# KiCad board alu_c.kicad_pcb (continued)
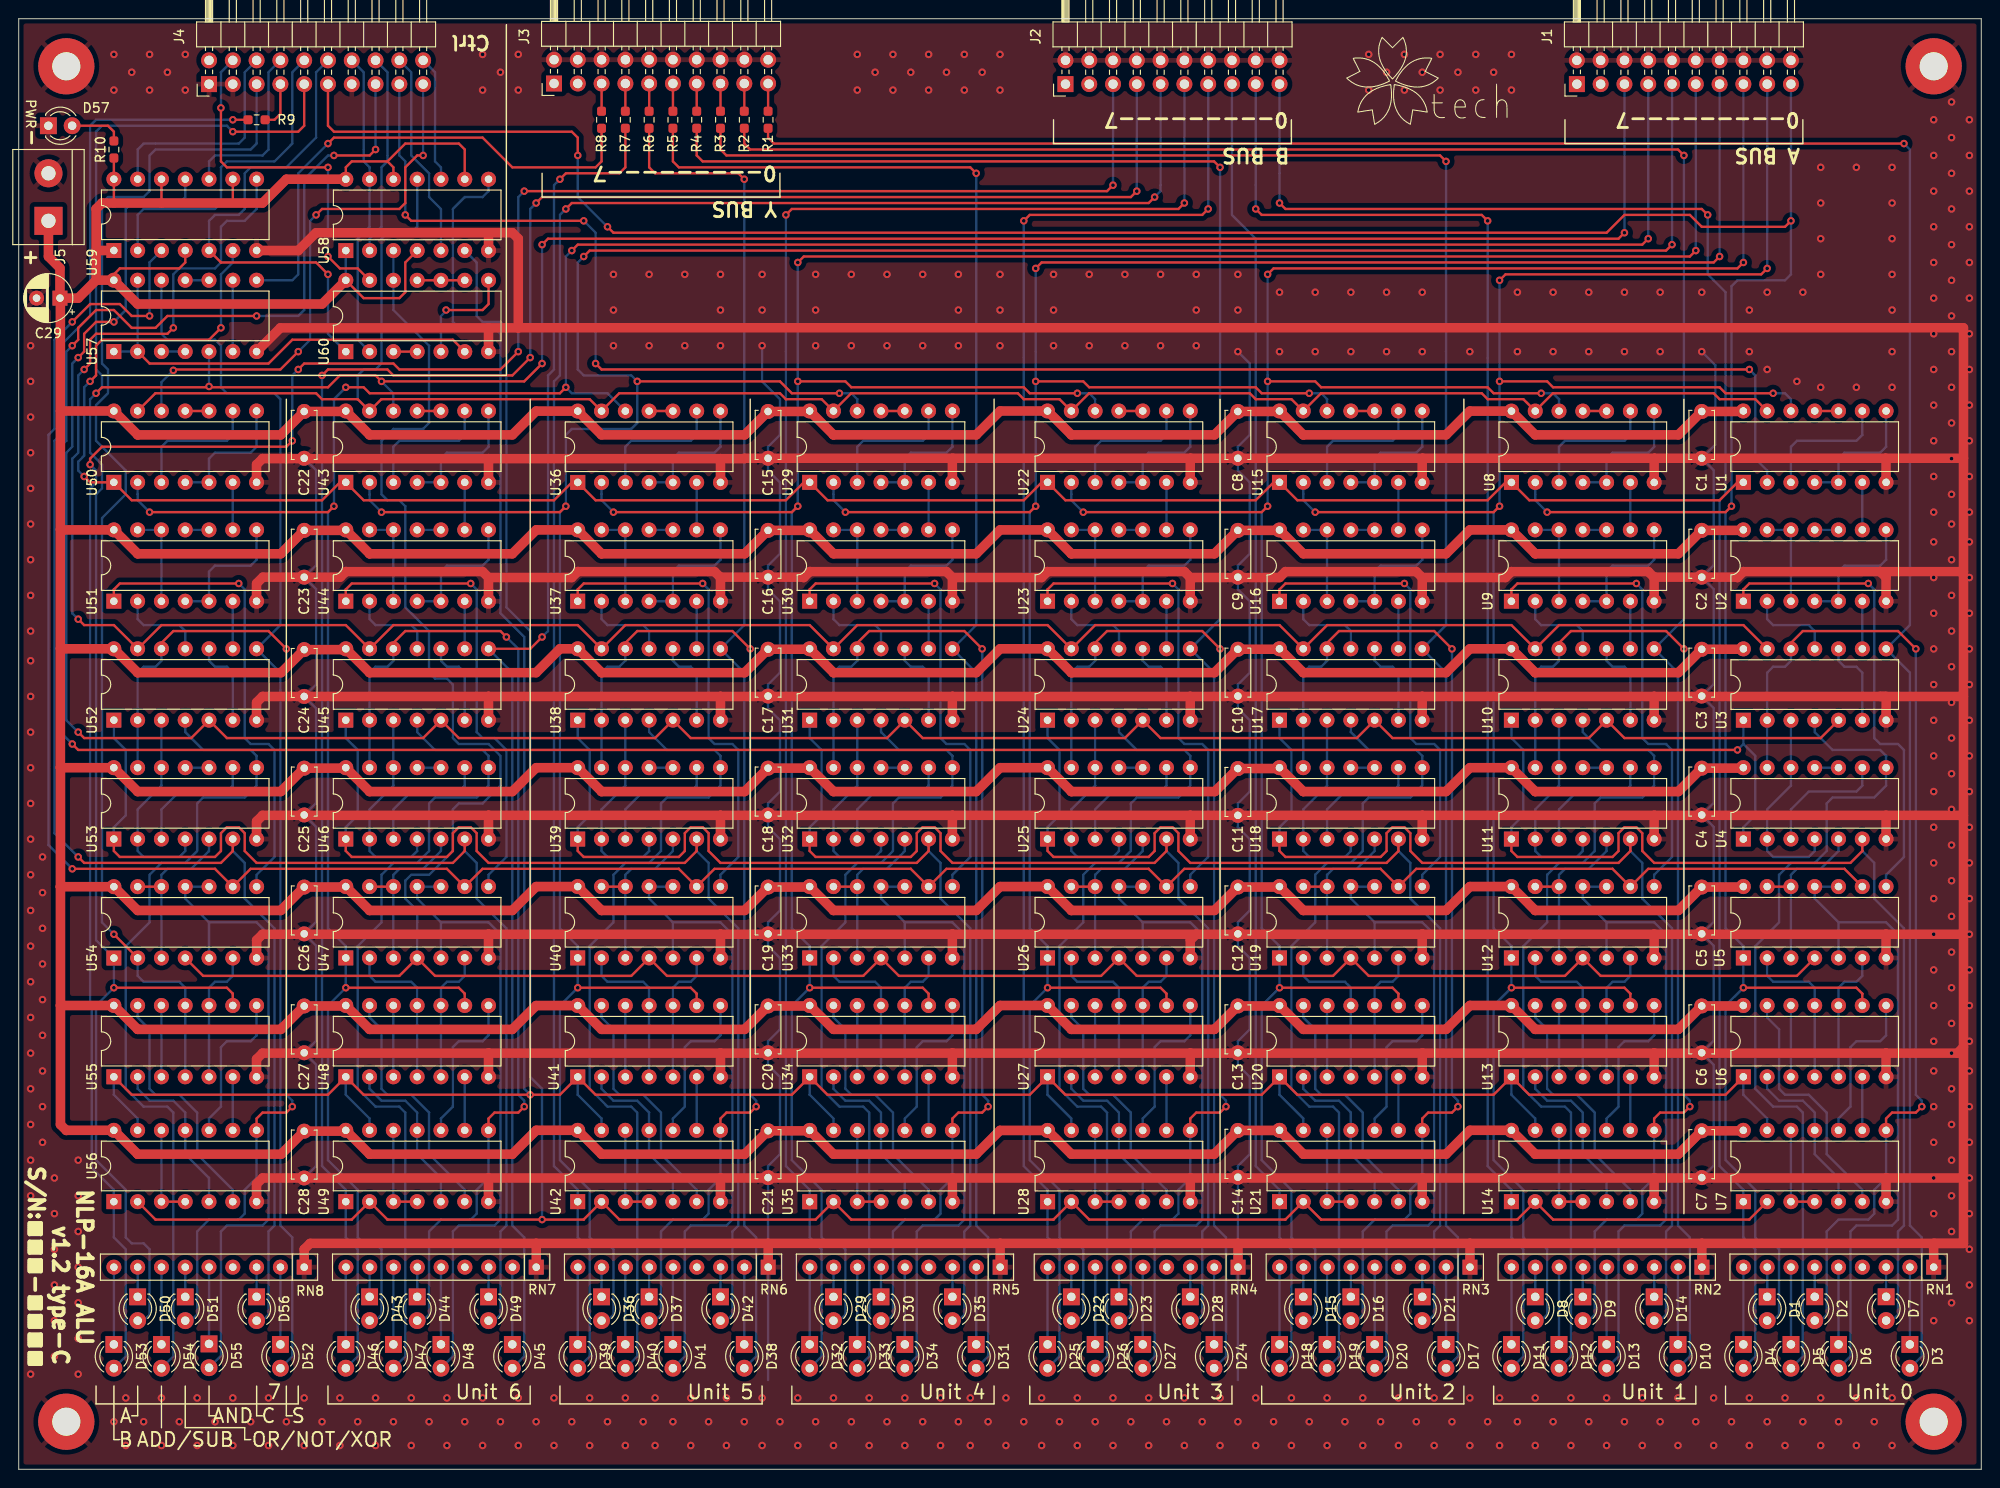
[diagram p0: board, top side]
## Routing (per net, layer and track width the routed paths; a pad name or vN(x,y) marks a point on that pad's centre or on a via; arc(x,y) is an arc through that point) (continued)
/ALUv7-No.7/ADD/SUB: length 89.3
  Bottom w0.254: 42.54,80.01 42.54,78.74 44.45,76.83 49.53,76.83 50.16,76.2 50.16,76.19 50.16,73.02 48.9,71.75 44.45,71.75 43.82,71.12 43.82,66.04 42.54,64.77 40.01,64.77 38.74,63.5 38.74,58.42 36.2,55.88 36.2,40.64 38.1,38.74 40.64,38.74 41.27,38.1 41.27,12.06 D47.2
/ALUv7-No.7/AND: length 69.3
  Bottom w0.254: 45.09,58.42 50.16,58.42 51.43,57.15 51.43,26.67 50.8,26.03 46.99,26.03 46.35,25.4 46.35,12.06 D48.2 ; 45.09,58.42 45.08,58.42 45.08,54.61 ; 45.09,58.42 42.54,60.97 42.54,62.23 45.08,62.23
/ALUv7-No.7/B_sign: length 17
  Bottom w0.254: 42.54,41.91 42.54,51.43 42.54,51.44 41.91,52.07 38.1,52.07 37.46,52.71 37.46,54.61
/ALUv7-No.7/carry_out: length 114.1
  Top w0.254: U46.6 47.62,66.05 47.63,66.04 46.35,64.77 25.4,64.77 24.13,66.04 24.13,67.94 23.49,68.58 22.23,68.58 21.59,67.94 21.59,66.04 20.95,65.41 10.8,65.41 10.16,66.05 U53.1 ; 47.62,66.68 47.63,66.67
  Bottom w0.254: U53.1 10.16,68.58 11.43,69.85 11.43,76.83 10.16,78.11 10.16,80.01 ; U46.6 47.62,66.05 48.9,64.77 48.9,60.96 52.07,57.78 52.07,26.03 51.43,25.4 51.43,16.51 50.8,15.88 50.16,15.88
/ALUv7-No.7/OR/NOT/XOR: length 110.2
  Top w0.254: v1(52.07,88.9) 51.43,89.53 41.27,89.53 40.01,88.27 40.01,87.63 ; v1(53.98,38.74) 53.34,38.1 50.8,38.1 50.16,37.46 50.16,36.21
  Bottom w0.254: 50.16,36.21 50.16,31.12 50.16,31.12 48.9,29.84 48.9,27.31 48.26,26.67 45.09,26.67 43.82,25.4 43.82,16.51 43.18,15.88 42.54,15.88 ; U46.13 37.46,85.08 38.1,85.72 39.37,85.72 40.01,86.36 40.01,87.63 ; v1(53.98,38.74) 53.98,39.37 53.34,40 53.34,87.63 v1(52.07,88.9)
/ALUv7-No.8/ADD/SUB: length 89.3
  Bottom w0.254: D54.2 16.51,12.06 16.51,38.1 15.88,38.74 13.34,38.74 11.43,40.64 11.43,55.88 13.97,58.42 13.97,63.5 15.24,64.77 17.78,64.77 19.05,66.04 19.05,71.12 19.69,71.75 24.13,71.75 25.4,73.02 U53.8 25.4,76.19 25.4,76.2 24.77,76.83 19.69,76.83 17.78,78.74 17.78,80.01
/ALUv7-No.8/AND: length 69.3
  Bottom w0.254: 20.32,58.42 20.32,58.42 20.32,54.61 ; 20.32,58.42 25.4,58.42 26.67,57.15 26.67,26.67 26.04,26.03 22.23,26.03 21.59,25.4 21.59,12.12 D55.2 ; 20.32,58.42 17.77,60.97 17.77,62.23 20.32,62.23
/ALUv7-No.8/OR/NOT/XOR: length 110.2
  Top w0.254: v1(28.57,87.63) 26.67,89.53 16.51,89.53 15.24,88.27 15.24,87.63 ; U56.8 25.4,37.46 26.04,38.1 28.57,38.1 v1(29.21,38.74)
  Bottom w0.254: U56.8 25.4,31.12 25.4,31.12 24.13,29.84 24.13,27.31 23.49,26.67 20.32,26.67 19.05,25.4 19.05,16.51 18.41,15.88 D51.2 ; v1(29.21,38.74) 29.21,39.37 28.57,40 v1(28.57,87.63) ; U53.13 12.7,85.08 13.34,85.72 14.61,85.72 15.24,86.36 15.24,87.63
/ALUv7-No.8/Y: length 130.6
  Bottom w0.25: 27.94,83.19 27.94,85.09 U52.8
  Bottom w0.254: D52.2 29.21,12.06 29.21,24.76 27.94,26.03 27.94,83.19 ; U57.12 15.23,122.56 15.24,122.56 15.24,121.28 15.88,120.65 20.95,120.65 21.59,120.02 21.59,115.57 22.23,114.94 27.3,114.94 27.94,114.3 27.94,90.17 25.4,87.63
A0: length 352.1
  Top w0.25: v1(62.87,132.72) 63.5,132.08 169.54,132.08 171.45,133.99 178.44,133.99 179.7,132.72 188.59,132.72 v1(189.23,133.35) ; J4.11 33.02,143.51 33.66,142.88 59.05,142.88 59.69,142.24 v1(59.69,140.34)
  Top w0.254: v1(184.15,51.44) 196.22,51.44 196.85,50.8 196.84,50.8 196.84,49.53 ; v1(163.19,102.23) 182.25,102.23 v1(182.88,102.87)
  Bottom w0.25: v1(62.87,132.72) 59.69,135.89 v1(59.69,140.34)
  Bottom w0.254: 161.92,105.42 161.92,104.14 161.92,104.14 161.92,103.5 v1(163.19,102.23) ; D1.2 187.32,15.88 187.32,15.88 187.96,16.51 187.96,23.5 187.32,24.13 186.06,24.13 185.42,24.76 185.42,29.84 182.25,33.02 182.25,49.53 v1(184.15,51.44) 184.14,51.44 184.14,55.88 184.15,55.88 182.25,57.78 182.25,102.23 v1(182.88,102.87) 182.88,126.37 183.51,127 188.59,127 189.23,127.63 J1.19
A1: length 236.8
  Top w0.25: v1(158.11,127) 158.75,127.63 186.06,127.63 v1(186.69,128.27)
  Top w0.254: v1(158.11,116.2) 163.19,116.2 163.83,115.57 181.61,115.57 182.25,114.94 v1(187.32,114.94) ; v1(158.11,102.87) 157.48,102.23 v1(138.43,102.23) ; v1(159.38,51.44) 171.45,51.44 172.09,50.8 172.08,50.8 172.08,49.53
  Bottom w0.25: J1.17 v1(186.69,128.27)
  Bottom w0.254: v1(158.11,127) v1(158.11,116.2) v1(158.11,102.87) 157.48,102.23 157.48,57.78 159.38,55.88 159.38,55.88 159.38,51.44 v1(159.38,51.44) 157.48,49.53 157.48,33.02 160.66,29.84 160.66,24.76 161.29,24.13 162.56,24.13 163.19,23.5 163.19,16.51 162.56,15.88 162.56,15.88 D8.2 ; U1.12 189.22,114.3 189.23,114.3 188.59,114.94 v1(187.32,114.94) ; U15.2 137.16,104.14 137.16,104.14 137.16,103.5 v1(138.43,102.23)
A2: length 259.1
  Top w0.25: v1(184.15,128.91) 183.51,128.27 133.98,128.27 v1(133.35,127.63)
  Top w0.254: v1(134.62,51.44) 146.69,51.44 147.32,50.8 147.31,50.8 147.31,49.53 ; v1(162.56,114.94) 157.48,114.94 156.84,115.57 139.06,115.57 138.43,116.2 v1(133.35,116.2) ; v1(113.66,102.23) 132.72,102.23 v1(133.35,102.87)
  Bottom w0.25: v1(133.35,127.63) 133.35,116.84 ; J1.15 v1(184.15,128.91)
  Bottom w0.254: 164.46,113.04 164.46,114.3 164.47,114.3 163.83,114.94 v1(162.56,114.94) ; 133.35,116.84 v1(133.35,116.2) v1(133.35,102.87) 132.72,102.23 132.72,57.78 134.62,55.88 134.61,55.88 134.61,51.44 v1(134.62,51.44) 132.72,49.53 132.72,33.02 135.89,29.84 135.89,24.76 136.53,24.13 137.79,24.13 138.43,23.5 138.43,16.51 137.79,15.88 137.79,15.88 D15.2 ; v1(113.66,102.23) 112.39,103.5 112.39,104.14 112.39,104.14 U22.2
A3: length 281.9
  Top w0.25: v1(108.59,128.27) 109.22,128.91 180.97,128.91 v1(181.61,129.54)
  Top w0.254: v1(88.26,102.23) 107.95,102.23 v1(108.59,102.87) ; v1(108.59,116.2) 113.66,116.2 114.3,115.57 132.08,115.57 132.72,114.94 v1(137.79,114.94) ; 122.55,49.53 122.55,50.8 122.56,50.8 121.92,51.44 v1(109.85,51.44)
  Bottom w0.25: v1(108.59,128.27) 108.59,119.38 ; 181.61,147.95 v1(181.61,129.54)
  Bottom w0.254: U15.12 139.69,114.3 139.7,114.3 139.06,114.94 v1(137.79,114.94) ; v1(88.26,102.23) 87,103.5 87,104.14 86.99,104.14 U29.2 ; 108.59,119.38 v1(108.59,116.2) v1(108.59,102.87) 107.95,102.23 107.95,57.78 109.85,55.88 109.85,55.88 109.85,51.44 v1(109.85,51.44) 107.95,49.53 107.95,33.02 111.12,29.84 111.12,24.76 111.76,24.13 113.03,24.13 113.66,23.5 113.66,16.51 113.03,15.88 113.03,15.88 D22.2
A4: length 304.8
  Top w0.25: v1(179.07,130.18) 178.44,129.54 83.82,129.54 v1(83.19,128.91)
  Top w0.254: v1(83.19,116.2) 88.26,116.2 88.9,115.57 107.31,115.57 107.95,114.94 v1(113.03,114.94) ; v1(84.46,51.44) 96.52,51.44 97.16,50.8 97.15,50.8 97.15,49.53 ; v1(83.19,102.87) 82.55,102.23 v1(63.5,102.23)
  Bottom w0.25: v1(83.19,128.91) 83.19,119.38 ; v1(179.07,130.18) J1.11
  Bottom w0.254: v1(113.03,114.94) 114.3,114.94 114.94,114.3 114.93,114.3 U22.12 ; 62.23,105.42 62.23,104.14 62.23,104.14 62.23,103.5 v1(63.5,102.23) ; 83.19,119.38 v1(83.19,116.2) v1(83.19,102.87) 82.55,102.23 82.55,57.78 84.46,55.88 84.45,55.88 84.45,51.44 v1(84.46,51.44) 82.55,49.53 82.55,33.02 85.72,29.84 85.72,24.76 86.36,24.13 87.63,24.13 88.26,23.5 88.26,16.51 87.63,15.88 87.62,15.88 87,15.88
A5: length 329.6
  Top w0.25: v1(176.53,130.81) 175.89,130.18 60.96,130.18 v1(60.32,129.54)
  Top w0.254: 72.38,49.53 72.38,50.8 72.39,50.8 71.75,51.44 v1(59.69,51.44) ; v1(66.04,116.2) 81.28,116.2 82.55,114.94 v1(87.63,114.94) ; v1(58.42,102.87) 57.79,102.23 v1(38.74,102.23)
  Bottom w0.25: J1.9 v1(176.53,130.81)
  Bottom w0.254: v1(87.63,114.94) 88.9,114.94 89.53,114.3 89.53,114.3 U29.12 ; U43.2 37.46,104.14 37.46,104.14 37.46,103.5 v1(38.74,102.23) ; v1(60.32,129.54) 59.69,128.91 59.69,117.47 60.32,116.84 65.41,116.84 v1(66.04,116.2) 66.04,111.76 65.41,111.12 59.05,111.12 58.42,110.49 v1(58.42,102.87) 57.79,102.23 57.79,57.78 59.69,55.88 59.68,55.88 59.68,51.44 v1(59.69,51.44) 57.79,49.53 57.79,33.02 60.96,29.84 60.96,24.76 61.6,24.13 62.87,24.13 63.5,23.5 63.5,16.51 62.87,15.88 62.86,15.88 D36.2
A6: length 322.2
  Top w0.25: v1(173.99,131.44) 173.35,130.81 59.69,130.81 v1(59.05,130.18)
  Top w0.254: v1(34.93,51.44) 46.99,51.44 47.63,50.8 47.62,50.8 47.62,49.53 ; v1(58.42,115.57) 57.79,114.94 37.46,114.94 36.83,115.57 v1(34.93,115.57) ; v1(13.97,102.23) 33.02,102.23 v1(33.66,102.87)
  Bottom w0.25: 173.99,147.95 v1(173.99,131.44) ; v1(58.42,115.57) 58.42,129.54 v1(59.05,130.18)
  Bottom w0.254: U36.12 62.87,114.94 59.05,114.94 v1(58.42,115.57) ; v1(13.97,102.23) 12.7,103.5 12.7,104.14 12.7,104.14 U50.2 ; D43.2 38.1,15.88 38.1,15.88 38.74,16.51 38.74,23.5 38.1,24.13 36.83,24.13 36.2,24.76 36.2,29.84 33.02,33.02 33.02,49.53 v1(34.93,51.44) 34.92,51.44 34.92,55.88 34.93,55.88 33.02,57.78 33.02,102.23 v1(33.66,102.87) 33.66,114.3 v1(34.93,115.57)
A7: length 377.5
  Top w0.25: v1(22.86,142.88) 29.85,142.88 30.48,143.51 J4.9 ; v1(55.88,130.81) 56.52,131.44 170.81,131.44 v1(171.45,132.08)
  Top w0.254: v1(8.26,114.94) 8.89,115.57 20.23,115.57 v1(20.32,115.66) 20.41,115.57 33.02,115.57 34.29,116.84 38.1,116.84 v1(38.74,116.2) 53.98,116.2 v1(55.88,118.11) ; 22.85,49.53 22.85,50.8 22.86,50.8 22.23,51.44 v1(10.16,51.44)
  Bottom w0.25: 171.45,147.95 v1(171.45,132.08) ; v1(55.88,130.81) v1(55.88,118.11) ; v1(22.86,142.88) 22.23,143.51
  Bottom w0.254: D50.2 13.33,15.88 13.34,15.88 13.97,16.51 13.97,23.5 13.34,24.13 12.07,24.13 11.43,24.76 11.43,29.84 8.26,33.02 8.26,49.53 v1(10.16,51.44) U54.1 8.26,56.52 8.26,104.14 8.89,104.78 8.89,107.31 8.71,107.5 8.71,107.5 7.62,108.59 7.62,114.3 v1(8.26,114.94) 8.89,115.57 8.89,116.84 8.26,117.47 8.26,142.88 8.89,143.51 22.23,143.51 ; 40,113.04 40,114.93 38.74,116.19 v1(38.74,116.2) ; v1(20.32,115.66) 20.32,115.67 U57.5
B0: length 185.3
  Top w0.25: v1(134.62,135.25) 135.25,134.62 179.7,134.62 v1(180.34,133.99)
  Bottom w0.25: v1(134.62,135.25) 134.62,138.43 134.62,138.44 J2.19 ; v1(180.34,133.99) 180.34,127.63 180.97,127
  Bottom w0.254: 180.97,127 182.25,125.73 182.25,104.14 181.61,103.5 181.61,32.38 184.15,29.84 184.14,29.84 U7.1 184.14,24.77 185.42,23.5 185.42,12.06 D4.2
B1: length 163.3
  Top w0.25: v1(132.08,134.62) 132.72,133.99 156.21,133.99 v1(156.84,133.35)
  Bottom w0.25: J2.17 132.09,137.16 132.08,137.16 v1(132.08,134.62) ; v1(156.84,133.35) 156.84,118.75
  Bottom w0.254: D11.2 160.66,12.06 160.66,23.5 159.38,24.77 U14.1 159.38,29.84 159.38,29.84 156.84,32.38 156.84,118.75
B2: length 140.3
  Bottom w0.25: J2.15 129.54,133.98 132.08,131.44 132.08,119.38
  Bottom w0.254: D18.2 135.89,12.06 135.89,23.5 134.62,24.76 U21.1 134.62,29.84 132.08,32.38 132.08,119.38
B3: length 158.2
  Top w0.25: v1(127,134.62) 126.36,133.99 107.95,133.99 v1(107.31,133.35)
  Bottom w0.25: v1(127,134.62) 127,134.62 J2.13 ; v1(107.31,133.35) 107.31,118.75
  Bottom w0.254: 107.31,118.75 107.31,32.38 109.85,29.84 109.85,29.84 109.85,24.77 111.12,23.5 111.12,12.06 D25.2
B4: length 181.1
  Top w0.25: v1(124.46,135.25) 123.82,134.62 82.55,134.62 v1(81.91,133.99)
  Bottom w0.25: v1(124.46,135.25) 124.47,135.26 J2.11 ; v1(81.91,133.99) 81.91,119.38
  Bottom w0.254: D32.2 85.72,12.06 85.72,23.5 84.46,24.76 U35.1 84.46,29.84 81.91,32.38 81.91,119.38
B5: length 202.2
  Top w0.25: v1(58.42,134.62) 59.05,135.25 120.65,135.25 v1(121.28,135.89)
  Bottom w0.25: 57.15,116.2 57.79,116.84 57.79,133.99 v1(58.42,134.62) ; v1(121.28,135.89) 121.92,136.53 121.92,137.16 121.92,137.16 J2.9
  Bottom w0.254: 57.15,116.2 57.15,32.38 59.69,29.84 59.68,29.84 U42.1 59.68,24.77 60.96,23.5 60.96,12.06 D39.2
B6: length 224.6
  Top w0.254: v1(54.61,118.75) 52.71,116.84 40.01,116.84 39.37,117.47 33.02,117.47 v1(32.38,116.84) ; v1(55.24,135.25) 55.88,135.89 118.75,135.89 v1(119.38,136.53)
  Bottom w0.254: v1(119.38,136.53) 119.38,136.53 J2.7 ; v1(54.61,118.75) 54.61,134.62 v1(55.24,135.25) ; v1(32.38,116.84) 32.38,32.38 34.93,29.84 34.92,29.84 U49.1 34.92,24.77 36.2,23.5 36.2,12.06 D46.2
B7: length 246.2
  Top w0.254: v1(7.62,107.31) 7.62,107.95 8.89,109.22 28.57,109.22 v1(29.21,109.86) ; v1(29.85,117.47) 30.48,118.11 40.01,118.11 40.64,117.47 51.43,117.47 v1(53.34,119.38) ; v1(116.84,137.16) 116.2,136.53 v1(53.98,136.53)
  Bottom w0.254: v1(53.34,119.38) 53.34,135.89 v1(53.98,136.53) ; J2.5 116.84,137.16 v1(116.84,137.16) ; D53.2 11.43,12.06 11.43,23.5 10.16,24.77 U56.1 10.16,29.84 10.16,29.84 7.8,32.2 7.8,49.72 7.62,49.9 7.62,104.78 8.26,105.41 8.26,106.68 v1(7.62,107.31) ; v1(29.85,117.47) 29.21,116.84 v1(29.21,109.86)
B_sign: length 130.1
  Top w0.25: v1(10.16,57.15) U54.2
  Bottom w0.25: J4.5 25.4,141.6 24.77,140.97 14.61,140.97 13.97,140.34 13.97,136.53 13.34,135.89 9.52,135.89 8.89,135.25 8.89,118.11 9.52,117.47 9.52,114.94 8.26,113.66 8.26,109.86 11.43,106.68 11.43,104.14 8.89,101.6 8.89,58.42 v1(10.16,57.15)
  Bottom w0.254: 12.7,54.61 12.7,52.71 13.34,52.07 17.15,52.07 17.78,51.44 17.77,51.43 17.77,41.91
Cin: length 294.9
  Top w0.25: v1(38.1,140.97) 37.46,140.34
  Top w0.254: v1(5.72,77.47) 6.35,76.83 v1(183.51,76.83) ; v1(5.72,120.02) 6.35,120.65 6.35,121.92 8.26,123.83 10.16,123.83 12.07,121.92 14.61,121.92 15.88,123.19 v1(25.4,123.19) ; v1(33.66,140.34) 37.46,140.34
  Bottom w0.25: J4.15 v1(38.1,140.97)
  Bottom w0.254: v1(5.72,77.47) 4.45,78.74 4.45,109.22 5.08,109.86 5.08,119.38 v1(5.72,120.02) ; 184.15,77.47 185.42,76.2 185.42,69.85 184.14,68.58 U4.1 ; 184.15,77.47 U3.1 ; 184.15,77.47 v1(183.51,76.83) ; v1(33.66,140.34) 33.02,140.34 30.48,137.8 30.48,123.83 29.85,123.19 v1(25.4,123.19)
Cout: length 170.9
  Top w0.25: v1(22.86,144.15) R9.1
  Top w0.254: U53.6 22.85,66.05 22.86,66.04 21.59,64.77 6.98,64.77 v1(6.35,65.41) ; 22.85,66.68 22.86,66.67
  Bottom w0.25: v1(22.86,144.15) 8.26,144.15
  Bottom w0.254: U53.6 22.85,66.05 24.13,64.77 24.13,60.96 27.3,57.78 27.3,26.03 26.67,25.4 26.67,16.51 26.04,15.88 D56.2 ; v1(6.35,65.41) 3.81,67.94 3.81,109.86 4.45,110.49 4.45,120.02 7.62,123.19 7.62,143.51 8.26,144.15
Lin: length 185.6
  Top w0.25: v1(41.27,133.99) 41.91,133.35 v1(60.32,133.35)
  Top w0.254: v1(61.6,118.11) 62.23,117.47 v1(184.78,117.47)
  Bottom w0.25: v1(41.27,133.99) 41.27,139.7 40.64,140.34 40.64,147.95 ; v1(60.32,133.35) 61.6,132.08 v1(61.6,118.11)
  Bottom w0.254: v1(184.78,117.47) 185.42,116.84 185.42,107.95 186.69,106.69 U1.2
mode1: length 345.2
  Top w0.254: 10.16,41.91 10.16,41.91 12.07,40 33.02,40 34.92,41.91 34.92,41.91 34.93,41.91 36.83,40 v1(54.61,40) 57.79,40 59.68,41.91 59.68,41.91 U41.1 61.6,40 82.55,40 84.45,41.91 84.45,41.91 84.46,41.91 86.36,40 107.95,40 109.85,41.91 109.85,41.91 109.85,41.91 111.76,40 132.72,40 134.61,41.91 134.61,41.91 U20.1 136.53,40 157.48,40 159.38,41.91 159.38,41.91 159.38,41.91 161.29,40 182.25,40 184.14,41.91
  Bottom w0.254: 184.14,41.91 184.14,40.01 186.69,37.47 U7.13 ; U42.13 62.23,37.47 59.68,40.01 59.68,41.91 ; U49.13 37.46,37.47 34.92,40.01 34.92,41.91 ; U56.13 12.7,37.47 10.16,40.01 10.16,41.91 ; 159.38,41.91 159.38,40.01 161.92,37.47 U14.13 ; 112.39,36.21 112.39,37.47 109.85,40.01 109.85,41.91 ; 134.61,41.91 134.61,40.01 137.16,37.47 137.16,36.21 ; 84.45,41.91 84.45,40.01 86.99,37.47 86.99,36.21 ; v1(54.61,40) 53.98,40.64 53.98,88.9 51.43,91.44 51.43,121.28 50.8,121.92 46.99,121.92 46.35,122.56 46.35,134.62 47.63,135.89 49.53,135.89 50.16,136.53 U58.8
mode1_in: length 13.5
  Bottom w0.25: J4.20 44.45,149.22 44.45,139.7 45.09,139.06 U58.10
mode2: length 293.2
  Top w0.254: U56.2 14.61,26.68 14.61,26.67 35.56,26.67 35.56,26.69 U49.2 39.37,26.68 39.37,26.67 60.32,26.67 60.32,26.69 U42.2 64.13,26.68 64.13,26.67 85.09,26.67 85.09,26.69 86.99,28.59 88.9,26.68 88.9,26.67 110.49,26.67 110.49,26.69 112.39,28.59 114.3,26.68 114.3,26.67 135.25,26.67 135.25,26.69 137.16,28.59 139.06,26.68 139.06,26.67 160.02,26.67 160.02,26.69 U14.2 163.83,26.68 163.83,26.67 184.78,26.67 184.78,26.69 U7.2
  Bottom w0.254: U58.6 48.9,128.91 48.9,123.19 49.53,122.56 51.43,122.56 52.07,121.92 52.07,92.08 54.61,89.54 54.61,41.91 55.88,40.64 v1(55.88,26.67)
mode2_in: length 22.2
  Bottom w0.25: 40.64,150.5 41.91,149.22 41.91,140.34 43.82,138.43 43.82,135.89 45.09,134.62 U58.5
mode3: length 282.1
  Top w0.254: U54.4 19.69,52.7 40.64,52.7 42.54,54.61 42.54,54.61 42.54,54.61 44.45,52.7 65.41,52.7 67.31,54.61 67.31,54.61 67.31,54.61 69.22,52.7 90.17,52.7 92.07,54.61 92.07,54.61 92.07,54.61 93.98,52.7 115.57,52.7 117.47,54.61 117.47,54.61 117.47,54.61 119.38,52.7 140.34,52.7 142.23,54.61 142.23,54.61 142.24,54.61 144.14,52.7 165.1,52.7 167,54.61 167,54.61 167,54.61 168.91,52.7 189.86,52.7 191.76,54.61
  Bottom w0.254: U47.4 42.54,58.42 42.54,58.42 42.54,59.69 41.27,60.96 41.27,62.86 41.91,63.5 43.82,63.5 46.35,66.04 46.35,70.48 46.99,71.12 49.53,71.12 51.43,73.03 51.43,76.2 50.16,77.47 46.99,77.47 46.35,78.11 46.35,83.82 45.72,84.45 44.45,84.45 43.82,85.09 43.82,89.53 41.27,92.08 41.27,102.87 40.64,103.5 39.37,103.5 38.74,104.14 38.74,109.86 40.01,111.12 43.18,111.12 43.82,111.76 43.82,120.02 40.01,123.83 U58.3
mode3_in: length 21.6
  Bottom w0.25: J4.16 39.37,149.22 39.37,140.34
  Bottom w0.254: U58.2 37.46,131.44 38.74,132.72 38.74,139.06 39.37,139.7 39.37,140.34
MSO: length 38
  Top w0.25: v1(33.02,139.06) 22.23,139.06 21.59,139.7 v1(21.59,145.41) ; U60.13 36.2,128.27 34.29,128.27 v1(33.02,129.54)
  Bottom w0.25: v1(33.02,139.06) v1(33.02,129.54) ; J4.4 21.59,149.22 v1(21.59,145.41)
Rin: length 58.3
  Top w0.25: v1(43.18,140.34) 42.54,140.34 41.27,139.06 41.27,135.25 40.64,134.62 32.38,134.62 v1(31.75,133.99) ; v1(16.51,117.38) 16.6,117.47 27.94,117.47 v1(29.85,119.38)
  Bottom w0.25: J4.19 v1(43.18,140.34) ; v1(31.75,133.99) 31.12,133.35 31.12,120.65 v1(29.85,119.38) ; U50.12 15.23,116.11 v1(16.51,117.38)
SA: length 47.2
  Top w0.254: U57.2 13.98,118.11 26.67,118.11 29.21,120.65 46.35,120.65 U60.6
  Bottom w0.254: U57.13 U57.2 U57.1
select_ADD/SUB: length 269
  Top w0.254: U3.5 192.41,78.11 171.45,78.11 169.54,80.01 167.64,78.11 146.69,78.11 144.78,80.01 142.88,78.11 121.92,78.11 120.01,80.01 118.11,78.11 96.52,78.11 94.61,80.01 92.71,78.11 71.75,78.11 69.85,80.01 67.94,78.11 46.99,78.11 45.09,80.01 43.18,78.11 22.23,78.11 20.32,80.01 18.41,78.11 6.98,78.11 v1(6.35,78.74) ; v1(6.35,118.75) 6.98,119.38 6.98,121.28 8.26,122.56 v1(10.16,122.56)
  Bottom w0.254: U59.11 17.78,135.89 17.15,135.25 12.07,135.25 11.43,134.62 11.43,123.83 v1(10.16,122.56) ; v1(6.35,78.74) 5.08,80.01 5.08,108.58 5.72,109.22 5.72,118.11 v1(6.35,118.75)
select_ADD/SUB_in: length 23.9
  Bottom w0.25: 14.61,141.6 23.49,141.6 24.13,142.24 24.13,149.22 J4.6
  Bottom w0.254: 14.61,141.6 13.34,141.6 12.7,140.97 U59.13
select_AND: length 280.6
  Top w0.254: 196.84,62.23 194.94,64.13 194.94,64.14 173.98,64.14 172.08,62.23 170.18,64.13 170.18,64.14 149.22,64.14 147.31,62.23 145.41,64.13 145.41,64.14 124.45,64.14 122.55,62.23 120.65,64.13 120.65,64.14 99.06,64.14 97.15,62.23 95.25,64.13 95.25,64.14 74.29,64.14 72.38,62.23 70.49,64.13 70.49,64.14 49.52,64.14 47.62,62.23 45.72,64.13 45.72,64.14 24.76,64.14 22.85,62.23 20.95,64.13 20.95,64.14 v1(5.72,64.14) ; v1(5.72,122.56) 7.62,124.46 10.8,124.46 12.07,123.19 v1(13.97,123.19)
  Bottom w0.254: v1(5.72,122.56) 3.81,120.65 3.81,111.12 3.18,110.49 3.18,66.67 v1(5.72,64.14) ; U59.3 13.97,128.91 v1(13.97,123.19)
select_AND/A_in: length 35.1
  Bottom w0.254: J4.10 29.21,149.22 29.21,141.6 27.3,139.7 22.23,139.7 21.59,139.06 21.59,135.25 20.95,134.62 13.34,134.62 12.7,133.99 U59.2
select_L: length 226.5
  Top w0.254: v1(6.98,106.05) 7.01,106.05 7.63,105.42 U50.1 10.16,105.42 12.07,103.5 32.38,103.5 34.3,105.42 U43.1 34.92,105.42 36.83,103.5 57.15,103.5 59.07,105.42 59.68,105.42 59.68,105.42 61.6,103.5 81.91,103.5 83.83,105.42 U29.1 84.45,105.42 86.36,103.5 107.31,103.5 109.23,105.42 U22.1 109.85,105.42 111.76,103.5 132.08,103.5 134,105.42 U15.1 134.61,105.42 136.53,103.5 156.84,103.5 158.76,105.42 159.38,105.42 159.38,105.42 161.29,103.5 181.61,103.5 183.53,105.42 U1.1 ; v1(7.62,116.2) 8.26,116.84 8.26,120.02 8.89,120.65 20.32,120.65 v1(21.59,121.92)
  Bottom w0.254: U59.6 22.86,128.91 21.59,127.63 v1(21.59,121.92) ; v1(7.62,116.2) 6.98,115.57 6.98,108.26 6.35,107.63 6.35,106.68 v1(6.98,106.05)
select_L_in: length 52.1
  Top w0.254: v1(33.02,127.63) 31.75,128.91 21.59,128.91 21.59,128.91 U59.5
  Bottom w0.254: U60.1 33.02,121.28 v1(33.02,127.63) ; U59.5 20.32,133.35 20.95,133.99 23.49,133.99 24.13,134.62 24.13,138.43 24.77,139.06 28.57,139.06 31.75,142.24 31.75,149.22 J4.12
select_OR/NOT/XOR: length 259.6
  Top w0.254: v1(16.51,121.92) 15.88,121.28 8.26,121.28 7.62,120.65 7.62,118.11 v1(6.98,117.47) ; 186.69,87.63 184.15,90.17 164.47,90.17 161.92,87.63 159.38,90.17 139.7,90.17 137.16,87.63 134.62,90.17 114.94,90.17 112.39,87.63 109.85,90.17 89.53,90.17 87,87.63 84.46,90.17 64.77,90.17 62.23,87.63 59.69,90.17 40.01,90.17 37.46,87.63 34.93,90.17 15.24,90.17 12.7,87.63 10.16,90.17 6.98,90.17 v1(6.35,90.81)
  Bottom w0.254: v1(16.51,121.92) 16.51,127.63 17.15,128.27 20.95,128.27 21.59,128.91 21.59,132.72 22.23,133.35 24.13,133.35 25.4,134.62 U59.8 ; v1(6.35,90.81) 5.72,91.44 5.72,91.44 5.72,107.95 6.35,108.58 6.35,116.84 v1(6.98,117.47)
select_OR/NOT/XOR_in: length 18.8
  Bottom w0.25: J4.8 26.67,149.22 26.67,140.97 26.04,140.34 20.95,140.34 20.32,139.7 U59.10
select_R: length 214.6
  Top w0.254: U1.13 185.42,114.3 181.61,114.3 180.97,114.94 163.81,114.94 161.92,113.04 160.66,114.3 156.84,114.3 156.21,114.94 139.05,114.94 U15.13 135.89,114.3 132.08,114.3 131.44,114.94 114.28,114.94 U22.13 111.13,114.3 107.31,114.3 106.68,114.94 88.88,114.94 U29.13 85.73,114.3 81.91,114.3 81.28,114.94 64.12,114.94 62.23,113.04 60.96,114.3 38.72,114.3 U43.13 36.2,114.3 32.38,114.3 31.75,114.94 14.59,114.94 U50.13
  Bottom w0.254: U43.13 36.2,114.31 36.2,116.84 36.83,117.47 38.1,117.47 38.74,118.11 38.74,131.44 39.37,132.08 41.91,132.08 42.54,132.72 U58.11
select_R_in: length 33
  Bottom w0.25: J4.14 36.83,149.22 36.83,140.97
  Bottom w0.254: U60.2 36.2,120.65 36.2,131.44 37.46,132.72 U58.13 37.46,139.06 36.83,139.7 36.83,140.97
Y0: length 256.8
  Top w0.25: R1.2 80.01,142.24 80.65,141.6 v1(201.29,141.6)
  Bottom w0.254: D3.2 203.2,12.06 203.2,24.76 201.93,26.03 201.93,85.09 199.39,87.63 201.93,90.17 201.93,140.97 v1(201.29,141.6)
Y1: length 236.1
  Top w0.25: R2.2 77.47,141.6 78.1,140.97 177.16,140.97 v1(177.8,140.34)
  Bottom w0.25: U10.8 177.16,85.09 177.16,84.45 ; v1(177.8,140.34) 177.8,117.47
  Bottom w0.254: 177.8,118.11 177.8,90.81 174.62,87.63 ; 177.16,84.45 177.16,26.03 178.44,24.76 178.44,12.06 D10.2
Y2: length 212.3
  Top w0.25: v1(152.4,139.7) 151.76,140.34 75.56,140.34 74.93,140.97 R3.2
  Bottom w0.25: U17.8 152.4,85.09 152.4,84.45 ; v1(152.4,139.7) 152.4,119.38
  Bottom w0.254: 152.4,84.45 152.4,26.03 153.67,24.76 153.67,12.06 D17.2 ; 152.4,119.38 152.4,90.17 149.86,87.63
Y3: length 191
  Top w0.25: R4.2 72.39,140.34 73.03,139.7 127.63,139.7 v1(128.27,139.06)
  Bottom w0.25: U24.8 127.63,85.09 127.63,84.45 ; 128.27,117.47 v1(128.27,139.06)
  Bottom w0.254: D24.2 128.91,12.06 128.91,24.76 127.63,26.03 127.63,84.45 ; 125.09,87.63 128.27,90.81 128.27,117.47
Y4: length 167.2
  Top w0.25: R5.2 69.85,139.7 70.49,139.06 101.6,139.06 v1(102.23,138.43)
  Bottom w0.25: 102.23,83.82 102.23,85.09 U31.8 ; v1(102.23,138.43) 102.23,114.3
  Bottom w0.254: 102.23,83.82 102.23,26.03 103.5,24.76 103.5,12.06 D31.2 ; 99.69,87.63 102.23,90.17 102.23,114.3
Y5: length 145
  Top w0.25: v1(77.47,137.8) 76.84,138.43 67.94,138.43 67.31,139.06 R6.2
  Bottom w0.25: U38.8 77.47,85.09 77.47,85.09 ; v1(77.47,137.8) 77.47,118.11
  Bottom w0.254: 77.47,85.09 77.47,26.03 78.74,24.76 78.74,12.06 D38.2 ; 74.93,87.63 77.47,90.17 77.47,118.11
Y6: length 146.5
  Top w0.25: 50.16,87.64 54.62,87.64 v1(55.88,88.9) ; v1(57.79,137.8) 58.42,138.43 64.13,138.43 64.77,139.06 R7.2
  Bottom w0.25: v1(55.88,88.9) 56.52,89.53 56.52,116.84 57.15,117.48 57.15,137.16 v1(57.79,137.8)
  Bottom w0.254: 50.16,87.63 52.71,85.09 52.71,26.03 53.98,24.76 53.98,12.06 D45.2
Y7: length 54.6
  Top w0.25: v1(33.02,141.6) 33.66,142.24 49.53,142.24 52.71,139.06 61.6,139.06 62.23,139.7 R8.2
  Bottom w0.25: v1(33.02,141.6) 29.85,138.43 29.85,127.63 29.22,127.01 U57.8
Net-(D1-Pad1): length 3.2
  Bottom w0.254: D1.1 186.69,21.57 186.7,21.59
Net-(D2-Pad1): length 3.2
  Bottom w0.254: 191.77,18.41 191.77,21.57 191.78,21.59
Net-(D3-Pad1): length 8.2
  Bottom w0.254: 201.93,21.57 D3.1
Net-(D4-Pad1): length 8.3
  Bottom w0.254: D4.1 184.15,21.57 184.16,21.59
Net-(D5-Pad1): length 8.2
  Bottom w0.254: 189.23,21.57 D5.1
Net-(D6-Pad1): length 8.2
  Bottom w0.254: 194.31,21.57 D6.1
Net-(D7-Pad1): length 3.2
  Bottom w0.254: 199.39,18.42 199.39,21.57 199.41,21.59
Net-(D8-Pad1): length 3.2
  Bottom w0.254: D8.1 161.92,21.57 RN2.8
Net-(D9-Pad1): length 3.2
  Bottom w0.254: RN2.6 167,21.57 D9.1
Net-(D10-Pad1): length 8.3
  Bottom w0.254: D10.1 177.16,21.57 RN2.2
Net-(D11-Pad1): length 8.3
  Bottom w0.254: D11.1 159.38,21.57 RN2.9
Net-(D12-Pad1): length 8.3
  Bottom w0.254: RN2.7 164.47,21.57 D12.1
Net-(D13-Pad1): length 8.3
  Bottom w0.254: D13.1 169.54,21.57 RN2.5
Net-(D14-Pad1): length 3.2